# Altium PCB PCB3.PcbDoc (part 7 of 8) (continued)
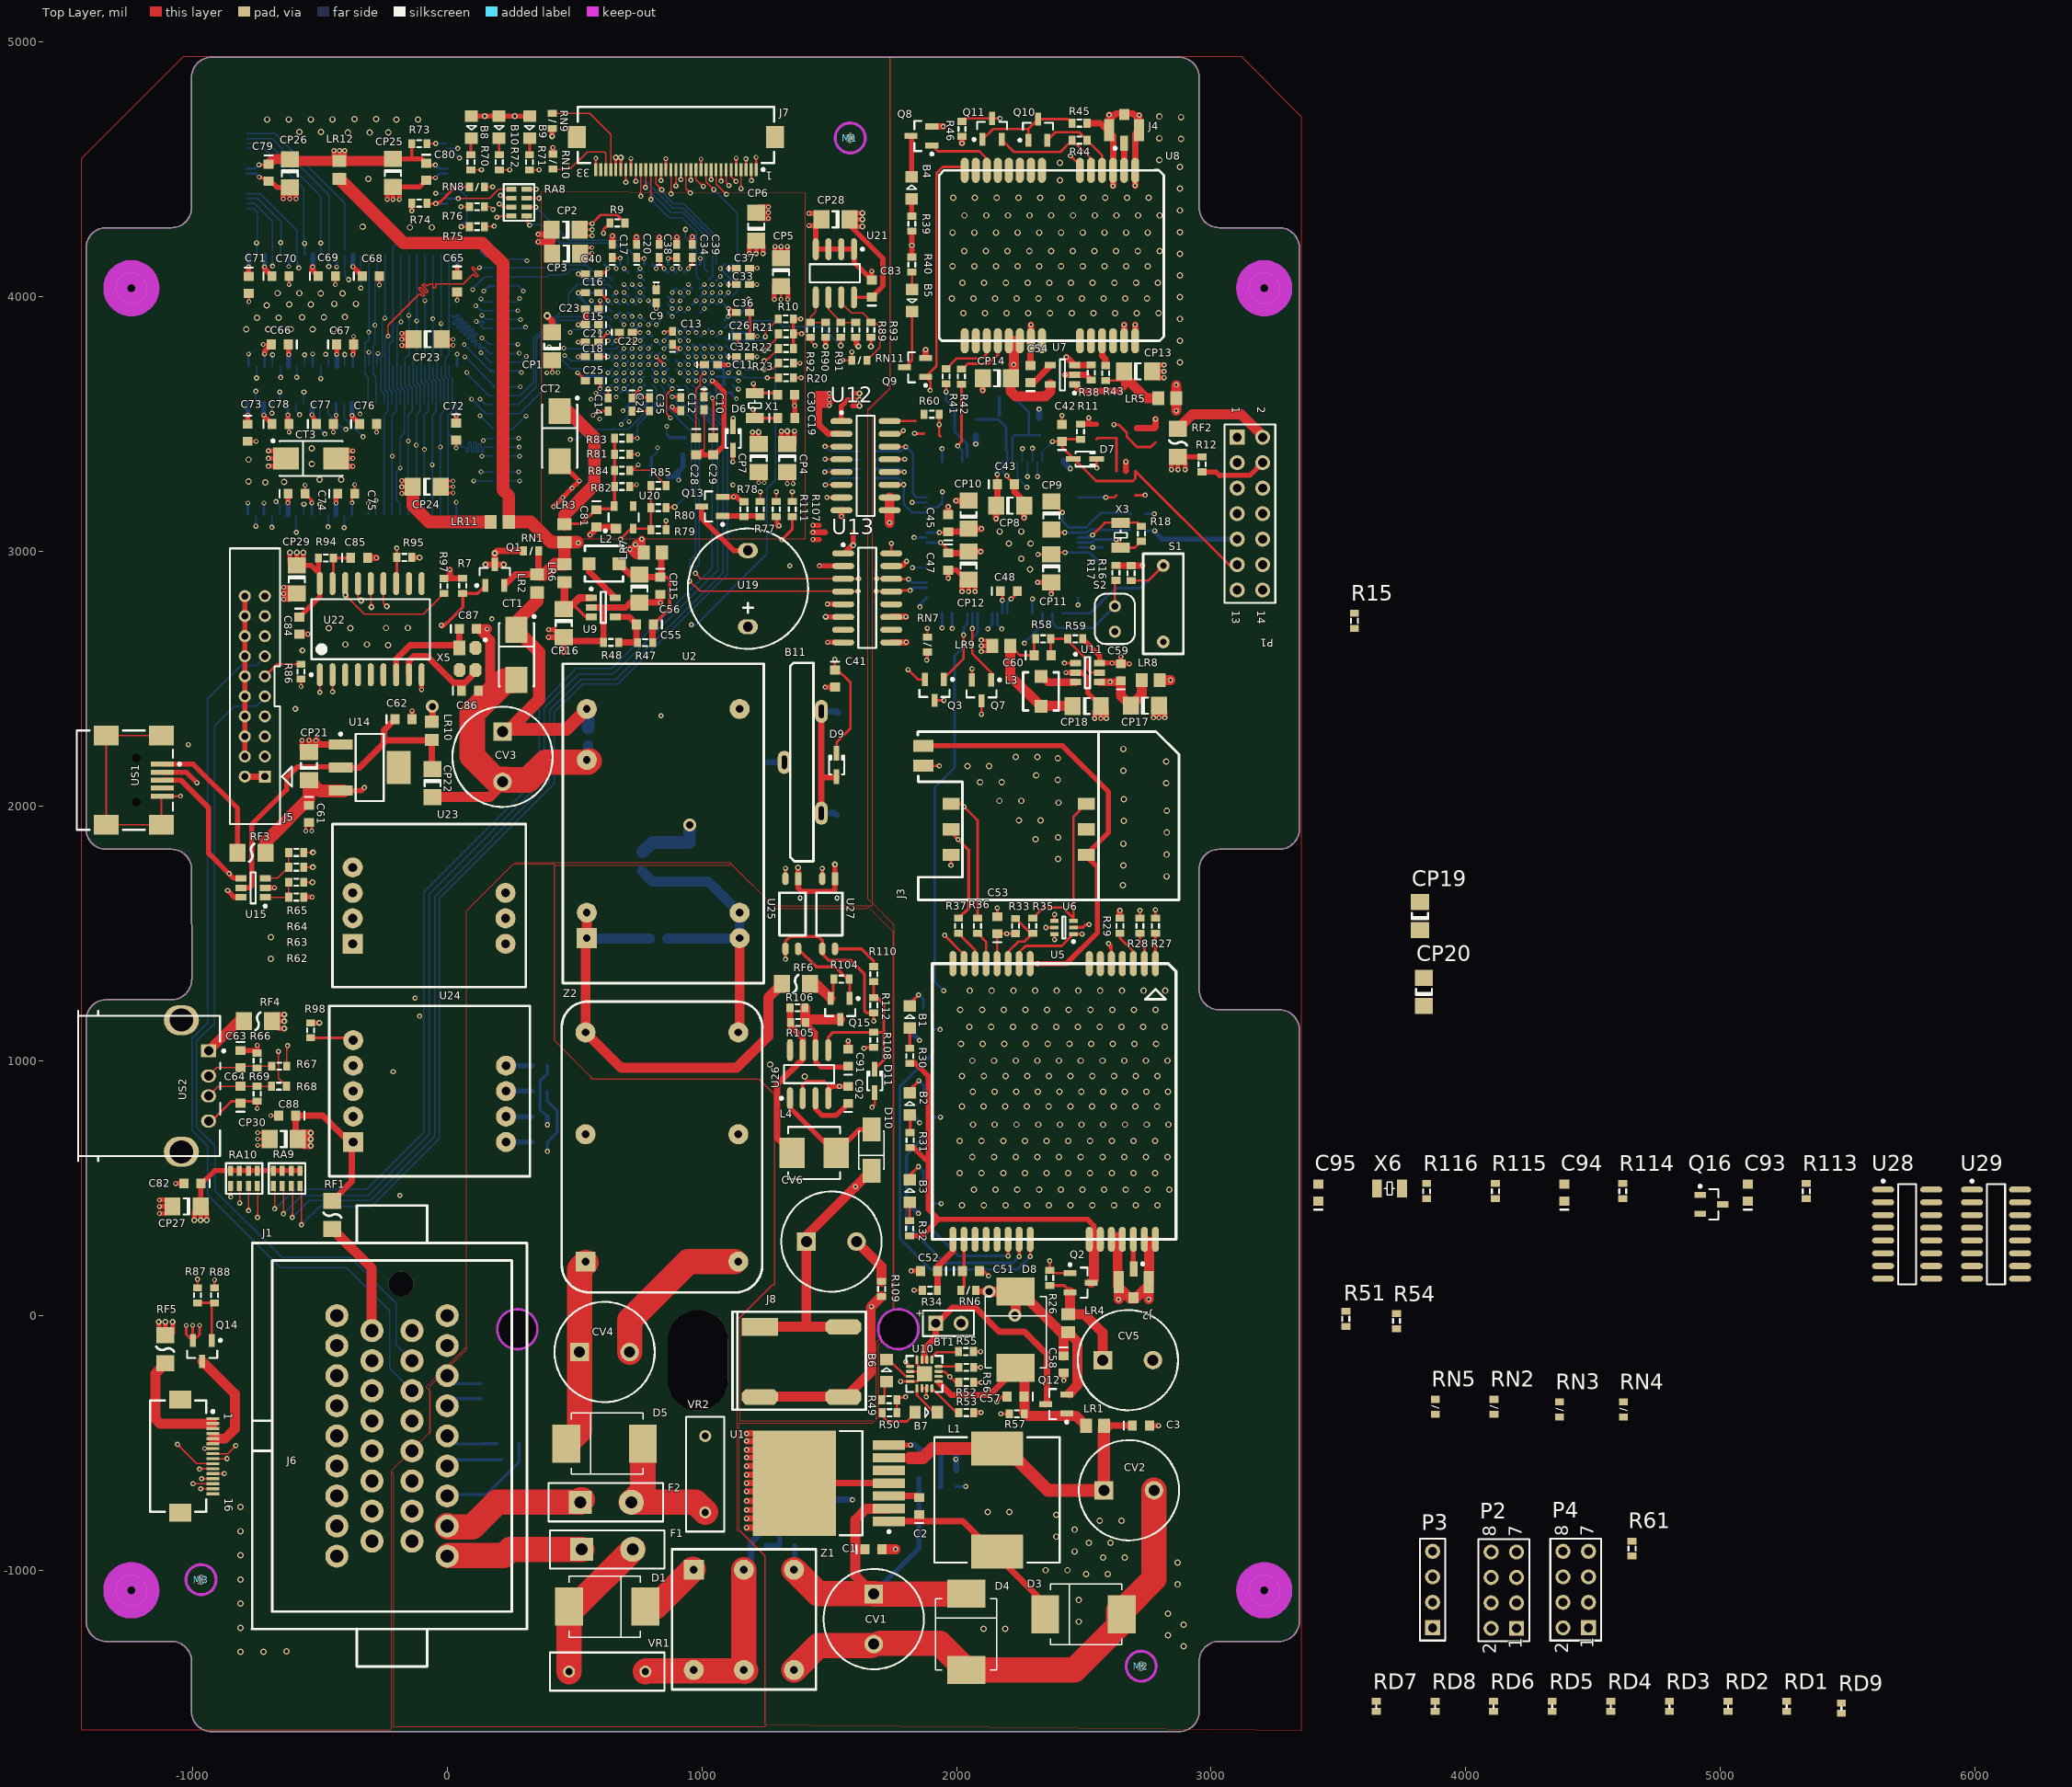
[diagram p0: Top Layer view]
## Nets (pads, with @x,y where several pads share a name; then routed paths per layer and width w, separated by ;. In a path a pad name is that pad's centre, name@x,y a point inside that pad or via, vN(x,y) a via of type N, cw(c..) or ccw(c..) an arc to the next point about the centre after c; other vN are vias at no path point) (continued)
  DATA w5: v1@883.83,3947.68 cw(c883.83,3931.98) 894.93,3943.08 cw(c906.03,3954.18) v1@890.33,3954.18 ; v1(883.83,3954.18) 915.33,3922.68 1074.78,3922.68 1093.91,3903.54 1220.47,3903.54 1279.53,3844.49 1279.53,3685.04 1276.57,3682.09 1276.57,3280.3 1230.51,3234.23 v2(1229.31,3234.23) ; v2@1229.31,3241.73 ccw(c1229.31,3262.73) 1244.16,3247.88 ; v2@1236.81,3234.23 cw(c1252.01,3234.23) 1241.26,3244.98
  Bottom Layer w10: U3.J6@868.08,3969.92 v1(883.83,3954.18) ; v1@879.83,3954.18 ccw(c870.18,3954.18) 877,3961 ccw(c883.83,3967.83) v1@883.83,3958.18
TOUT1/GPB1: R111.1 U3.J5 | length 1260.7
  Top Layer w5: v2@1286.99,3228.97 cw(c1274.19,3216.17) 1292.3,3216.17 cw(c1310.4,3216.17) v2@1297.6,3228.97 ; R111.1@1292.3,3196.3 v2(1292.3,3234.28)
  DATA w5: v1@883.83,3979.17 cw(c883.83,3963.48) 894.93,3974.58 cw(c906.03,3985.67) v1@890.33,3985.67 ; v1(883.83,3985.67) 899.58,3969.92 962.57,3969.92 994.32,3938.18 1216.35,3938.18 ; 1214.57,3937.99 1217.52,3937.99 1226.77,3928.74 1295.28,3860.24 1295.28,3749.02 v2@1295.25,3234.28 ; v2@1286.99,3239.58 ccw(c1267.06,3259.51) 1295.25,3259.51 ; v2@1290.53,3236.05 ccw(c1279.13,3247.44) 1295.25,3247.44 ; 1295.25,3245.26 ccw(c1303.28,3245.26) v2@1297.6,3239.58
  Bottom Layer w10: U3.J5@868.08,4001.42 v1(883.83,3985.67) ; v1@879.83,3985.67 ccw(c870.18,3985.67) 877,3992.5 ccw(c883.83,3999.33) v1@883.83,3989.67
TOUT2/GPB2: R87.2 U3.J7 | length 5511.9
  Top Layer w5: v2@-986,137.03 cw(c-998.81,124.22) -980.7,124.22 cw(c-962.59,124.22) v2@-975.4,137.03 ; R87.2@-980.7,108.94 v2(-980.7,142.33)
  ADDR w5: v2@-986,147.63 ccw(c-999.74,161.37) -980.32,161.37 ; v2@-980.31,144.69 -980.31,213.58 -913.39,280.51 -913.39,442.91 -799.21,557.09 -316.93,557.09 -212.11,661.91 v2(-212.11,957.19) ; -980.32,159.51 ccw(c-963.52,159.51) v2@-975.4,147.63 ; v2@-217.41,951.88 cw(c-230.21,939.08) -212.11,939.08 cw(c-194,939.08) v2@-206.8,951.88
  DATA w5: v2@-217.41,962.49 ccw(c-230.21,975.29) -212.11,975.29 ccw(c-194,975.29) v2@-206.8,962.49 ; v2(-212.11,957.19) -212.11,1399.11 226.38,1837.6 482.28,1837.6 1109.25,2464.57 1109.25,3088.58 1149.61,3128.94 1149.61,3546.26 1120.08,3575.79 1120.08,3856.97 1070.12,3906.93 899.58,3906.93 v1(883.83,3922.68) ; v1@883.83,3916.18 cw(c883.83,3900.49) 894.93,3911.58 cw(c906.03,3922.68) v1@890.33,3922.68
  Bottom Layer w10: U3.J7@868.08,3938.43 v1(883.83,3922.68) ; v1@879.83,3922.68 ccw(c870.18,3922.68) 877,3929.51 ccw(c883.83,3936.34) v1@883.83,3926.68
TXCAN: U22.1 U23.3 | length 966.9
  Top Layer w5: v2@-505.53,2452.92 ccw(c-518.33,2465.72) -500.22,2465.72 ccw(c-482.12,2465.72) v2@-494.92,2452.92 ; v2(-500.22,2447.61) U22.1@-500.22,2516.18
  ADDR w5: v2@-505.53,2442.31 cw(c-518.33,2429.51) -500.22,2429.51 cw(c-482.12,2429.51) v2@-494.92,2442.31 ; v2(-500.22,2447.61) -500.22,1789.02 U23.3@-370.89,1659.69
TXD0: J1.34 U3.K13 | length 4383.5
  ADDR w5: -124.53,1189.49 ccw(c-108.27,1205.74) v2@-108.27,1182.75 ; -119.65,1184.61 cw(c-129,1175.25) v2@-115.77,1175.25 ; v2(-108.27,1175.25) -110.29,1175.25 -150.59,1215.55 -150.59,2053.61 929.11,3133.31 929.11,3530.95 899.58,3560.47 899.58,3717.95 v1(915.33,3733.7) ; v1@908.83,3733.7 cw(c893.14,3733.7) 904.23,3722.61 cw(c915.33,3711.51) v1@915.33,3727.2
  DATA w5: v2@-113.58,1169.95 cw(c-124.15,1159.37) -109.19,1159.37 ; -109.19,1154.92 cw(c-87.94,1154.92) v2@-102.97,1169.95 ; v2(-108.27,1175.25) -109.19,1175.25 -109.19,356.24 0,247.05 J1.34@0,0
  Bottom Layer w10: U3.K13@899.58,3749.45 v1(915.33,3733.7) ; v1@911.33,3733.7 ccw(c901.67,3733.7) 908.5,3740.53 ccw(c915.33,3747.36) v1@915.33,3737.7
TXD1: R24.2 U3.K16 U13.3 | length 1603.4
  Top Layer w5: v2@975.39,2906.87 cw(c975.39,2888.76) 988.2,2901.57 cw(c1001,2914.37) v2@982.89,2914.37 ; v2(975.39,2914.37) 995.87,2893.9 1555.12,2893.9 v2(1615.35,2893.9) ; v2@1610.05,2888.59 ccw(c1597.25,2875.79) 1597.25,2893.9 ccw(c1597.25,2912) v2@1610.05,2899.2
  Bottom Layer w5: U3.K16@899.58,3654.96 915.33,3639.21 915.33,3590.67 990.13,3515.87 990.13,2949.8 976.43,2936.1 976.43,2915.4 v2(975.39,2914.37) ; v2@970.09,2919.67 ccw(c954.8,2934.97) 976.43,2934.97 ; 976.43,2929.99 ccw(c991.01,2929.99) v2@980.7,2919.67 ; v2@1610.05,2899.2 ccw(c1585.84,2923.41) R24.2@1620.08,2923.41 ; v2@1613.59,2895.67 ccw(c1597.91,2911.34) 1620.08,2911.34 ; v2(1615.35,2893.9) 1620.08,2898.62 R24.2@1620.08,2933.07
TXD2: U3.J11 U24.3 | length 3583.6
  ADDR w5: U24.3@-368.92,881.34 -426.21,938.62 -426.21,1159.88 -295.28,1290.81 -295.28,2037.86 813.98,3147.11 ; 813.98,3145.67 813.98,3147.11 ; v1@852.34,3790.19 cw(c852.34,3774.5) 863.43,3785.6 cw(c874.53,3796.69) v1@858.84,3796.69 ; v1(852.34,3796.69) 868.08,3780.95 868.08,3663.82 852.34,3648.07 852.34,3525.04 898.6,3478.78 898.6,3351.35 813.98,3266.73 813.98,3147.11
  Bottom Layer w10: v1(852.34,3796.69) U3.J11@868.08,3812.44 ; v1@852.34,3800.69 ccw(c852.34,3810.35) 859.17,3803.52 ccw(c865.99,3796.69) v1@856.34,3796.69
TXDG: R41.1 U8.3@2119.06,3827.76 | length 235.1
  Top Layer w10: R41.1@1959.65,3717.52 2000,3757.87 2100.39,3757.87 2119.06,3776.54 U8.3@2119.06,3827.76
TXDM: R27.1 U5.1 | length 119.1
  Top Layer w12: U5.1@2781.5,1381.89 R27.1@2781.5,1500.98
UPLLCAP: C29.1 U3.P17 | length 218.2
  Top Layer w10: v1@1038.51,3600.52 cw(c1022.24,3584.25) 1045.25,3584.25 ; v1(1041.34,3603.35) 1045.25,3599.43 C29.1@1045.25,3447.28
  Bottom Layer w10: U3.P17@1025.57,3623.47 1041.34,3607.69 v1(1041.34,3603.35) ; 1031.44,3617.6 cw(c1017.18,3603.35) v1@1037.34,3603.35
USB0_N: C63.2 R66.1 R67.2 US2.2 | length 261.5
  Top Layer w5: US2.2@-937.01,940.94 -904.53,973.43 C63.2@-812.01,973.43 ; C63.2@-812.01,979.33 R67.2@-688.98,979.33
USB0_P: C64.2 R68.2 R69.1 US2.3 | length 262.9
  Top Layer w5: US2.3@-937.01,862.2 -898.62,900.59 C64.2@-812.01,900.59 R68.2@-689.96,900.59
USB1_N: J1.7 U15.6 US1.2 | length 2817.1
  Top Layer w20: US1.2@-1118.11,2133.86 -1024.71,2133.86 v2(-982.85,2092) ; v2(-862.2,1669.29) -834.65,1641.73 U15.6@-803.15,1641.73
  ADDR w20: v2(-982.85,2092) -981,2090.15 -981,1788.09 v2(-862.2,1669.29)
  DATA w20: v2(-862.2,1669.29) -843.5,1650.59 -843.5,532.5 -885,491 -885,438.46 -604,157.46 -604,-78.09 J1.7@-439.47,-242.62
USB1_P: J1.8 U15.4 US1.3 | length 2601.6
  Top Layer w20: US1.3@-1118.11,2102.36 -1045.36,2102.36 -937.01,1994.01 -937.01,1815.94 v2(-856.3,1735.24) -838.03,1716.97 U15.4@-809.08,1716.97
  DATA w20: v2(-856.3,1735.24) -796.26,1675.2 -796.26,484.26 -522,210 -522,-29.18 J1.8@-433.07,-118.11
USBD1_N: R63.1 U3.N12 | length 3336
  Top Layer w5: R63.1@-563.02,1701.22 v4(-528.57,1701.22) ; v4@-535.15,1694.64 ccw(c-551.05,1678.74) -551.05,1701.22 ccw(c-551.05,1723.7) v4@-535.15,1707.81
  DATA w5: v4@-533.98,1694.82 -296.72,1932.09 447.83,1932.09 1025.32,2509.57 1025.32,3720.17 1009.82,3735.67 v1(1009.82,3765.2) ; v4@-528.57,1705.53 ccw(c-528.57,1718.32) -519.53,1709.28 ; v4@-528.57,1710.53 ccw(c-528.57,1735.39) -510.99,1717.81 ; v4@-519.26,1701.22 cw(c-499.16,1701.22) -513.37,1715.44 ; v1@1005.22,3760.6 cw(c994.13,3749.51) 1009.82,3749.51 cw(c1025.51,3749.51) v1@1014.42,3760.6
  Bottom Layer w10: U3.N12@994.07,3780.95 v1(1009.82,3765.2) ; v1@1005.82,3765.2 ccw(c996.16,3765.2) 1002.99,3772.03 ccw(c1009.82,3778.86) v1@1009.82,3769.2
USBD1_P: R64.1 U3.U14 | length 3378.7
  Top Layer w5: R64.1@-563.02,1760.28 v4(-527.58,1760.28) ; v4@-534.17,1753.69 ccw(c-550.06,1737.8) -550.06,1760.28 ccw(c-550.06,1782.76) v4@-534.17,1766.86
  ADDR w5: v2(839.57,2355.31) 1104.33,2620.08 1104.33,3243.11 v2@1122.05,3260.83 ; v2@839.57,2362.81 ccw(c839.57,2380.92) 852.37,2368.12 ccw(c865.17,2355.31) v2@847.07,2355.31 ; 1108.55,3247.33 ccw(c1094.06,3261.81) v2@1114.55,3261.81 ; 1110.92,3249.7 cw(c1122.05,3238.58) v2@1122.05,3254.31
  DATA w5: v4@-527.58,1764.59 ccw(c-527.58,1782.12) -515.18,1769.72 ; v4@-527.58,1769.59 ccw(c-527.58,1799.19) -506.65,1778.26 ; v4@-526.11,1758.8 -323.29,1961.61 445.87,1961.61 v2(839.57,2355.31) ; v4@-518.27,1760.28 cw(c-502.92,1760.28) -513.78,1771.13 ; v2@832.07,2355.31 cw(c813.96,2355.31) 826.76,2342.51 cw(c839.57,2329.71) v2@839.57,2347.81 ; v1@1099.71,3697.61 cw(c1088.61,3686.51) 1104.31,3686.51 cw(c1120,3686.51) v1@1108.9,3697.61 ; v1(1104.31,3702.21) 1104.31,3279.55 v2(1122.05,3261.81) ; v2@1114.55,3261.81 ccw(c1096.44,3261.81) 1109.24,3274.61 ccw(c1122.05,3287.42) v2@1122.05,3269.31
  Bottom Layer w10: v1(1104.31,3702.21) U3.U14@1120.05,3717.95 ; v1@1104.31,3706.21 ccw(c1104.31,3715.86) 1111.14,3709.03 ccw(c1117.96,3702.21) v1@1108.31,3702.21
USBH0_N: R67.1 U3.P12 | length 3810.3
  Top Layer w5: v2@-632.27,1054.74 cw(c-637.95,1049.06) -629.92,1049.06 ; R67.1@-629.92,979.33 -629.92,1058.07 v2@-625.98,1062.01 ; -629.92,1034.81 cw(c-601.73,1034.81) v2@-621.67,1054.74 ; -629.92,1046.88 cw(c-613.81,1046.88) v2@-625.2,1058.27
  DATA w5: v2(-626.97,1060.04) -626.97,1064.96 190.94,1882.87 460.63,1882.87 1072.83,2495.08 1072.83,3733.68 v1(1041.31,3765.2) ; v2@-626.97,1067.54 ccw(c-626.97,1073.76) -622.57,1069.36 ; v2@-624.47,1060.04 cw(c-606.55,1060.04) -619.22,1072.71 ; v2@-619.47,1060.04 cw(c-589.48,1060.04) -610.69,1081.24 ; v1@1041.31,3758.7 cw(c1041.31,3743.01) 1052.41,3754.1 cw(c1063.51,3765.2) v1@1047.81,3765.2
  Bottom Layer w10: U3.P12@1025.57,3780.95 v1@1041.31,3765.2 ; v1@1037.31,3765.2 ccw(c1027.65,3765.2) 1034.48,3772.03 ccw(c1041.31,3778.85) v1@1041.31,3769.2
USBH0_P: R68.1 U3.N11 | length 3937
  Top Layer w5: v2@-667.7,1032.1 cw(c-680.51,1019.29) -662.4,1019.29 cw(c-644.29,1019.29) v2@-657.1,1032.1 ; v2(-662.4,1037.4) -662.4,932.09 R68.1@-630.91,900.59
  DATA w5: v2@-667.7,1042.7 ccw(c-686.6,1061.6) -659.88,1061.6 ; v2@-664.17,1039.17 ccw(c-674.53,1049.53) -659.88,1049.53 ; v2@-663.39,1035.43 -659.88,1038.94 -659.88,1071.42 176.18,1907.48 454.72,1907.48 1057.09,2509.84 1057.09,3724.82 1025.57,3756.34 1025.57,3780.95 v1(1009.95,3796.57) ; -659.88,1049.42 ccw(c-650.39,1049.42) v2@-657.1,1042.7 ; v1@1009.95,3790.07 cw(c1009.95,3774.37) 1021.04,3785.47 cw(c1032.14,3796.57) v1@1016.45,3796.57
  Bottom Layer w10: U3.N11@994.07,3812.44 v1(1009.95,3796.57) ; v1@1005.95,3796.57 ccw(c996.29,3796.57) 1003.12,3803.39 ccw(c1009.95,3810.22) v1@1009.95,3800.57
V_ANT: Q11.2 R44.2 U8.19 | length 466.4
  Top Layer w10: Q11.2@2177.17,4618.11 2226.38,4568.9 2407.48,4568.9 R44.2@2453.74,4615.16 2455.71,4615.16 2528.5,4542.36 U8.19@2528.5,4497.05
VACC1: R61.2 U12.16 | length 103.1
  Top Layer w10: U12.16@1737.2,3512.6 1840.35,3512.6
VACC2: R60.1 U13.16 | length 627.1
  Top Layer w10: v2@1740.56,3028.94 cw(c1732.02,3020.41) 1744.09,3020.41 cw(c1756.17,3020.41) v2@1747.63,3028.94 ; U13.16@1744.09,2993.9 v2(1744.09,3032.48) ; v2@1833.66,3465.55 v2(1835.63,3463.58) 1836.61,3462.6 1873.03,3462.6 ; v2@1839.17,3467.12 ccw(c1850.08,3478.03) 1850.08,3462.6
  ADDR w10: v2(1744.09,3032.48) 1773.62,3062.01 1773.62,3254.63 1773.52,3254.73 1773.52,3418.2 1818.9,3463.58 v2(1835.63,3463.58) ; v2@1744.09,3037.48 ccw(c1744.09,3049.55) 1752.63,3041.02 ccw(c1761.17,3032.48) v2@1749.09,3032.48 ; v2@1832.09,3460.05 ccw(c1823.56,3451.51) 1823.56,3463.58 ccw(c1823.56,3475.65) v2@1832.09,3467.12
VBAT: C58.1 D8.2 LR4.1 LR5.1 LR8.2 Q12.2 RN6.2 | length 1108.8
  Top Layer w20: RN6.2@2075.85,99.41 2079.79,95.47 v5@2130.91,95.47 ; RN6.2@2089.36,95.47 cw(c2089.36,55.9) v5@2117.35,83.88 ; 2094.12,95.47 ccw(c2094.12,128.33) v5@2117.35,105.09
  Top Layer w39.37: v5@2127.36,93.9 D8.2@2232.28,93.9 ; v5@2232.28,9.84 D8.2@2232.28,93.9 ; C58.1@2421.26,-158.47 2421.26,-83.66 LR4.1@2438.98,-65.94 ; Q12.2@2443.9,-305.12 2475.39,-273.62 2475.39,-102.36 LR4.1@2438.98,-65.94 ; LR8.2@2798.23,2495.08 v2(2840.55,2495.08) ; v2(2863.19,3553.15) LR5.1@2863.19,3602.36 ; LR5.1@2863.19,3602.36 v2@2863.19,3652.56 ; D8.2@2232.28,93.9 2232.28,111.22 2409.45,-65.94 LR4.1@2438.98,-65.94
  other v2: 2863.19,3654.53
  other v5: 2229.33,0.98 2127.95,94.49
VCC: C43.1 C45.1 C46.1 C48.1 CP8.1 CP10.1 CP11.1 D7.2 LR9.2 P4.6 P4.8 R11.1 R12.1 R13.1 RF2.2 S1.2 S2.2 U4.16 U4.38 U4.64 U4.87 | length 1555.8
  Top Layer w10: v2(1933.07,3074.8) 1964.57,3074.8 C45.1@1967.52,3077.76 ; v2@1936.61,3071.27 cw(c1945.14,3062.73) 1945.14,3074.8 cw(c1945.14,3086.87) v2@1936.61,3078.34 ; LR9.2@2137.8,2626.97 2134.84,2629.92 LR9.2@2140.75,2629.92 ; v2@2156.9,3299.61 cw(c2148.36,3291.08) 2160.43,3291.08 cw(c2172.5,3291.08) v2@2163.97,3299.61 ; C43.1@2160.43,3264.76 v2(2160.43,3303.15) ; v2@2176.58,2811.61 ccw(c2168.05,2820.14) 2180.12,2820.14 ccw(c2192.19,2820.14) v2@2183.65,2811.61 ; v2(2180.12,2808.07) C48.1@2180.12,2844.49 ; v2(2319.88,2989.17) CP11.1@2372.05,2989.17 2378.94,2996.06 v2(2426.18,2996.06) ; v2@2323.42,2985.64 cw(c2331.95,2977.1) 2331.95,2989.17 cw(c2331.95,3001.24) v2@2323.42,2992.71 ; v2@2422.65,2992.53 ccw(c2414.11,2983.99) 2414.11,2996.06 ccw(c2414.11,3008.13) v2@2422.65,2999.6 ; v2@2547.65,3331.29 ccw(c2539.11,3339.83) 2551.18,3339.83 ccw(c2563.25,3339.83) v2@2554.72,3331.29 ; v2(2551.18,3327.76) D7.2@2551.18,3363.19
  Top Layer w12: v2@2095.47,2651.57 2119.09,2651.57 LR9.2@2140.75,2629.92 ; v2(2097.44,2607.28) 2125.98,2607.28 LR9.2@2131.89,2613.19 ; v2@2100.27,2655.39 ccw(c2109.47,2664.59) 2109.47,2651.57
  Top Layer w20: v2(2097.44,2629.92) LR9.2@2134.84,2629.92 ; R11.1@2487.2,3500 2518.7,3500 ; v2(2518.7,3525.59) 2518.7,3500 ; 2550.2,3500 2518.7,3500 ; v2(2844.49,3321.85) RF2.2@2844.49,3360.24 ; v2(2870.08,3321.85) RF2.2@2870.08,3371.06 ; RF2.2@2875.98,3371.06 2876.97,3372.05 R12.1@2964.57,3372.05 ; RF2.2@2879.92,3368.11 2897.64,3350.39 v2(2897.64,3321.85)
  Top Layer w25: C45.1@1967.52,3077.76 2035.43,3077.76 CP10.1@2047.24,3089.57 v2(2098.43,3089.57) ; v2(2155.51,3128.94) CP8.1@2155.51,3180.12 2160.43,3185.04 C43.1@2160.43,3264.76
  Bottom Layer w10: U4.64@1882.87,3074.8 v2(1933.07,3074.8) ; v2@1929.54,3071.27 ccw(c1921,3062.73) 1921,3074.8 ccw(c1921,3086.87) v2@1929.54,3078.34 ; v2@2156.9,3306.69 ccw(c2148.36,3315.22) 2160.43,3315.22 ccw(c2172.5,3315.22) v2@2163.97,3306.69 ; v2(2160.43,3303.15) U4.87@2160.43,3352.36 ; v2@2176.58,2804.54 cw(c2168.05,2796) 2180.12,2796 cw(c2192.19,2796) v2@2183.65,2804.54 ; U4.38@2180.12,2757.87 v2(2180.12,2808.07) ; v2(2426.18,2996.06) U4.16@2477.36,2996.06 2521.65,2996.06 2567.91,2949.8 C46.1@2575.79,2949.8 ; v2@2429.72,2992.53 cw(c2438.25,2983.99) 2438.25,2996.06 cw(c2438.25,3008.13) v2@2429.72,2999.6 ; R13.1@2744.09,3147.64 v2(2776.57,3147.64) ; v2@2773.04,3144.1 ccw(c2764.5,3135.57) 2764.5,3147.64 ccw(c2764.5,3159.71) v2@2773.04,3151.17
  other v2: 2097.44,2652.56
VCC5V: C57.1 D8.1 LR1.2 Q12.1 R57.2 U10.13 | length 856.2
  Top Layer w25: U10.13@1930.12,-261.58 1980.55,-312.01 2130.32,-312.01 D8.1@2236.22,-206.1
  Top Layer w39.37: D8.1@2247.05,-170.28 2266.73,-189.96 R57.2@2266.73,-380.91 ; R57.2@2264.76,-378.94 R57.2@2266.73,-380.91 ; LR1.2@2508.86,-433.07 2469.49,-393.7 2279.53,-393.7 R57.2@2266.73,-380.91
VCC24V: C1.1 CV1.1 D2.2 D4.2 R3.2 U1.2 Z1.3 | length 2437.2
  Top Layer w20: 1602.36,-917.32 1603.35,-917.32 C1.1@1640.75,-917.32
  Top Layer w39.37: 1456.14,-1092.13 1673.82,-1092.13 1603.35,-1021.65 1603.35,-917.32 1603.35,-801.46 1646.65,-758.15 U1.2@1734.68,-758.15 ; CV1.1@1675.2,-1092.13 D4.2@2038.39,-1092.13
  Top Layer w100: Z1.3@1362.16,-998.15 1456.14,-1092.13 1456.53,-1092.52 CV1.1@1678.15,-1092.52 ; CV1.1@1675.2,-1093.5 2041.34,-1093.5 D4.2@2045.28,-1097.44
  Bottom Layer w20: Z1.3@1365.16,-991.14 R3.2@1365.16,-903.54 ; CV1.1@1668.31,-1096.46 1852.96,-911.8 D2.2@1852.96,-638.49
VCC_RF: Q10.2 R44.1 U8.18 | length 324.2
  Top Layer w10: Q10.2@2357.28,4615.16 2388.78,4646.65 2481.3,4646.65 R44.1@2512.8,4615.16 2571.81,4556.14 U8.18@2571.81,4497.05
VDC3V3: J5.1 J5.2 LR2.2 LR3.1 LR6.2 LR10.2 LR11.1 LR12.1 Q1.2 RN1.1 | length 4314.7
  Top Layer w25: J5.2@-794.62,2116.5 J5.1@-715.88,2116.5 -713.94,2116.5 J5.1@-712.6,2115.16 ; v5@-66.91,2382.89 cw(c-90.56,2359.24) -57.11,2359.24 ; Q1.2@224.38,2866.57 267.69,2909.88 LR2.2@353.32,2909.88 359.23,2915.79 RN1.1@359.23,3002.4
  Top Layer w50: LR12.1@-423.23,4463.58 -170.93,4211.28 138.43,4211.28 219,4130.71 219,3241.58 242.13,3218.45 LR11.1@242.13,3116.58 ; LR11.1@242.13,3116.14 LR11.1@242.13,3116.58 ; LR2.2@353.32,2909.88 382.85,2909.88 423.2,2950.24 LR6.2@460.6,2950.24 LR3.1@460.6,3036.85 ; v2@510.39,3036.85 LR3.1@460.6,3036.85 ; LR11.1@242.13,3116.58 328.31,3116.58 408.03,3036.85 LR3.1@460.6,3036.85
  ADDR w25: v5@-57.09,2397.64 514.76,2969.49 v2(514.76,3034.45)
  DATA w25: J5.1@-722.44,2113.19 -319.93,2113.19 v5@-57.11,2376.01
  other v5: -58.07,2391.73
VDD1.3V: C9.1 C10.1 C11.1 C12.1 C20.1 C21.1 C22.1 C23.1 C24.1 C25.1 C26.1 C36.1 C37.1 C38.1 C39.1 C40.1 CP1.1 CP3.1 CP6.1 CP7.1 LR7.2 RD1.1 RD1.2 RD2.1 RD2.2 RD3.1 RD3.2 RD4.1 RD4.2 RD6.1 RD6.2 RD8.1 RD8.2 U3.A1 U3.A6 U3.A10 U3.A16 U3.B11 U3.F1 U3.F16 U3.G4 U3.J2 U3.J17 U3.L2 U3.M13 U3.N16 U3.T6 U3.T8 U3.U1 U3.U2 U3.U11 | length 2158.4
  Top Layer w10: v1@409.53,3706.01 ccw(c402.65,3712.89) 412.38,3712.89 ; v1(412.36,3703.18) CP1.1@412.38,3750.43 ; 412.38,3712.79 ccw(c421.96,3712.79) v1@415.18,3706.01 ; C21.1@594.05,3822.85 630.46,3859.26 v1(630.46,3859.85) ; C23.1@594.05,3952.98 600.61,3959.53 v1@600.61,3985.43 ; C40.1@594.05,4090.43 610.64,4090.43 v1(631.86,4111.66) ; C25.1@594.46,3670.71 600.59,3664.58 v1(600.59,3639.43) v1@600.59,3639.02 ; v1@597.76,3642.26 ccw(c590.93,3649.09) 600.59,3649.09 ccw(c610.25,3649.09) v1@603.42,3642.26 ; 600.61,3974.21 cw(c612.81,3974.21) v1@604.18,3982.84 ; 623.22,3852.01 ccw(c615.38,3859.85) v1@626.46,3859.85 ; v1@627.86,4111.66 cw(c618.21,4111.66) 625.04,4104.83 cw(c631.86,4098) v1@631.86,4107.66 ; v1(663.36,3828.19) 675.87,3840.7 C22.1@675.87,3862.98 ; v1@663.36,3832.19 ccw(c663.36,3841.85) 670.19,3835.02 ccw(c677.02,3828.19) v1@667.36,3828.19 ; C24.1@726.35,3602.8 726.35,3607.72 v1(757.85,3639.21) ; C20.1@742.41,4150.44 v1(773.6,4150.44) ; v1@753.85,3639.21 cw(c744.19,3639.21) 751.02,3632.39 cw(c757.85,3625.56) v1@757.85,3635.21 ; v1@770.77,4147.61 ccw(c763.94,4140.79) 763.94,4150.44 ccw(c763.94,4160.1) v1@770.77,4153.27 ; v1@818.01,4045.84 cw(c811.18,4039.01) 820.84,4039.01 cw(c830.5,4039.01) v1@823.67,4045.84 ; C9.1@820.84,4013.77 C9.1@820.84,4027.99 v1(820.84,4048.66) ; C38.1@832.59,4154.84 832.59,4131.4 v1(852.34,4111.66) ; v1@848.34,4111.66 ccw(c838.68,4111.66) 845.51,4118.48 ccw(c852.34,4125.31) v1@852.34,4115.66 ; v1(883.83,3607.72) C12.1@914.34,3607.72 ; v1@886.66,3604.89 cw(c893.49,3598.06) 893.49,3607.72 cw(c893.49,3617.38) v1@886.66,3610.55 ; v1(946.82,4111.66) 962.59,4127.42 C39.1@962.59,4154.84 ; v1@946.82,4115.66 ccw(c946.82,4125.31) 953.65,4118.48 ccw(c960.48,4111.66) v1@950.82,4111.66 ; v1(978.32,3733.7) C11.1@1010.8,3733.7 ; v1@981.15,3730.87 cw(c987.98,3724.04) 987.98,3733.7 cw(c987.98,3743.36) v1@981.15,3736.53 ; C10.1@1008.83,3607.72 1008.83,3638.23 v1(1009.82,3639.21) ; 1008.83,3627.18 cw(c1021.86,3627.18) v1@1012.65,3636.39 ; v1(1104.31,3922.68) 1106.27,3922.68 1131.86,3948.27 1110.21,3948.27 v1(1104.31,3954.18) ; v1@1104.31,3926.68 ccw(c1104.31,3941.08) 1114.49,3930.9 ; v1@1105.29,4112.64 C37.1@1135.8,4112.64 C37.1@1143.68,4112.64 ; v1@1107.13,3957.01 ccw(c1128.23,3978.1) C36.1@1128.23,3948.27 ; v1@1107.14,4108.83 cw(c1116.34,4099.63) 1116.34,4112.64 ; v1@1139.86,3815.27 ccw(c1133.03,3822.1) 1142.69,3822.1 ccw(c1152.35,3822.1) v1@1145.52,3815.27 ; v1(1142.69,3812.44) C26.1@1142.69,3840
  Top Layer w12: CP3.1@522.71,4170.43 v1(568.59,4170.43) ; CP3.1@545.71,4193.43 v1(568.59,4193.43) ; CP3.1@547.71,4145.43 v1(568.59,4145.43)
  Top Layer w20: v2(1187.01,4170.28) CP6.1@1187.01,4206.69 ; CP7.1@1199.25,3425.75 v2(1199.25,3468.94) ; v2(1213.58,4170.28) CP6.1@1213.58,4220.47 ; CP7.1@1223.4,3421.69 v4(1223.4,3468.94) ; v2(1240.16,4170.28) CP6.1@1240.16,4202.76
  Top Layer w29.53: v2(717.52,3008.86) 742.13,2984.25 LR7.2@760.83,2984.25 ; v2(739.17,3027.56) 741.14,3027.56 LR7.2@772.64,2996.06 ; v2@739.37,3022.8 ccw(c738.33,3048.23) v2(763.78,3048.23) 763.78,3011.81 LR7.2@769.69,3005.91 ; v2@740.93,3031.99 cw(c727.59,2998.35) LR7.2@763.78,2998.35
  Bottom Layer w10: v1(600.59,3639.43) U3.A16@616.12,3654.96 ; v1@600.59,3643.43 ccw(c600.59,3653.09) 607.42,3646.26 ccw(c614.25,3639.43) v1@604.59,3639.43 ; v1@601.35,3981.67 cw(c601.35,3972.01) 608.18,3978.84 cw(c615.01,3985.67) v1@605.35,3985.67 ; v1(601.35,3985.67) 616.12,3970.91 U3.A6@616.12,3969.92 ; U3.A10@616.12,3843.94 616.12,3845.5 v1(630.46,3859.85) ; U3.A1@616.12,4127.4 v1(631.86,4111.66) ; v1@626.46,3859.85 cw(c616.81,3859.85) 623.64,3853.02 cw(c630.46,3846.19) v1@630.46,3855.85 ; v1@627.86,4111.66 ccw(c618.21,4111.66) 625.04,4118.48 ccw(c631.86,4125.31) v1@631.86,4115.66 ; U3.B11@647.61,3812.44 v1(663.36,3828.19) ; v1@659.36,3828.19 cw(c649.7,3828.19) 656.53,3821.36 cw(c663.36,3814.53) v1@663.36,3824.19 ; v1(757.85,3639.21) U3.F16@773.6,3654.96 ; v1@757.85,3643.21 ccw(c757.85,3652.87) 764.68,3646.04 ccw(c771.51,3639.21) v1@761.85,3639.21 ; v1@770.77,4147.61 cw(c763.94,4140.79) 773.6,4140.79 cw(c783.25,4140.79) v1@776.43,4147.61 ; U3.F1@773.6,4127.4 v1(773.6,4150.44) ; U3.G4@805.09,4032.92 v1(820.84,4048.66) ; v1@816.84,4048.66 cw(c807.18,4048.66) 814.01,4041.84 cw(c820.84,4035.01) v1@820.84,4044.66 ; v1@852.34,4107.66 cw(c852.34,4098) 859.17,4104.83 cw(c865.99,4111.66) v1@856.34,4111.66 ; v1(852.34,4111.66) U3.J2@868.08,4095.91 ; U3.J17@868.08,3623.47 v1(883.83,3607.72) ; v1@879.83,3607.72 ccw(c870.18,3607.72) 877,3614.55 ccw(c883.83,3621.38) v1@883.83,3611.72 ; U3.L2@931.08,4095.91 v1(946.82,4111.66) ; v1@942.82,4111.66 cw(c933.17,4111.66) 940,4104.83 cw(c946.82,4098) v1@946.82,4107.66 ; U3.M13@962.57,3749.45 v1(978.32,3733.7) ; v1@974.32,3733.7 ccw(c964.67,3733.7) 971.49,3740.53 ccw(c978.32,3747.36) v1@978.32,3737.7 ; U3.N16@994.07,3654.96 v1(1009.82,3639.21) ; v1@1005.82,3639.21 ccw(c996.16,3639.21) 1002.99,3646.04 ccw(c1009.82,3652.87) v1@1009.82,3643.21 ; U3.T8@1088.56,3906.93 v1(1104.31,3922.68) ; U3.T6@1088.56,3969.92 v1(1104.31,3954.18) ; v1@1100.31,3922.68 cw(c1090.65,3922.68) 1097.48,3915.85 cw(c1104.31,3909.02) v1@1104.31,3918.68 ; v1@1100.31,3954.18 ccw(c1090.65,3954.18) 1097.48,3961.01 ccw(c1104.31,3967.83) v1@1104.31,3958.18 ; v1@1104.31,4107.66 cw(c1104.31,4098) 1111.14,4104.83 cw(c1117.96,4111.66) 1108.31,4111.66 cw(c1117.96,4111.66) 1111.14,4118.48 cw(c1104.31,4125.31) v1@1104.31,4115.66 ; U3.U11@1120.05,3812.44 v1(1142.69,3812.44) v1@1144.66,3812.44 ; U3.U2@1120.05,4095.91 v1(1104.31,4111.66) U3.U1@1120.05,4127.4 ; v1@1139.86,3809.61 ccw(c1133.03,3802.79) 1133.03,3812.44 ccw(c1133.03,3822.1) v1@1139.86,3815.27
  other v1: 391.71,3702.21 435.01,3703.19
VDD3V3: B8.1 B9.1 B10.1 C82.1 C83.1 C84.1 C88.1 CP19.1 CP20.1 CP27.1 CP28.1 CP29.1 CP30.1 J7.28 J7.29 Q1.3 R89.1 R90.1 R94.2 R95.1 R98.1 RA9.1 RA9.2 RA9.3 RA9.4 RA10.1 RA10.2 RA10.3 RA10.4 RF1.1 RF4.2 RF5.2 RN1.2 RN9.1 U12.1 U13.1 U13.6 U19.1 U21.8 U22.18 U23.1 U24.1 U25.1 U27.1 | length 4199.5
  Top Layer w10: v4@657.43,4542.27 cw(c645.8,4530.64) 662.25,4530.64 cw(c678.69,4530.64) v4@667.06,4542.27 ; J7.29@662.25,4499.87 v4(662.25,4547.09)
  Top Layer w12: v4@677.98,4543.14 cw(c668.43,4533.59) 681.93,4533.59 ; J7.28@681.93,4499.87 v4@681.93,4544.14 ; 681.93,4532.84 cw(c696.49,4532.84) v4@686.2,4543.14 ; U21.8@1597.39,3998.24 1666.09,3998.24 C83.1@1667.08,3999.23
  Top Layer w20: RF5.2@-1132.87,-69.88 v4(-1132.87,-24.61) ; RF5.2@-1107.28,-77.76 RF5.2@-1107.28,-76.77 v4(-1107.28,-24.61) ; RF5.2@-1084.65,-74.8 -1078.74,-68.9 v4(-1078.74,-24.61) ; v4(-993.11,374.02) -993.11,408.46 -984.25,417.32 -984.25,421.26 CP27.1@-988.19,425.2 ; v4(-968.5,374.02) CP27.1@-968.5,427.17 ; CP27.1@-968.5,428.15 -968.5,513.78 -913.39,568.9 -850.73,568.9 -682.42,568.9 -578.74,568.9 RA9.1@-576.77,566.93 ; CP27.1@-960.63,427.17 -943.9,410.43 v4(-943.9,374.02) ; RF4.2@-687.99,1155.51 v4(-639.76,1155.51) ; RF4.2@-660.43,1126.97 v4(-639.76,1126.97) ; RF4.2@-659.45,1182.09 v4(-639.76,1182.09) ; CP29.1@-617.1,2953.71 v4(-617.1,2996.04) ; v4(-590.58,2996.04) CP29.1@-590.58,2945.32 -533.69,2945.32 -505.93,2917.56 R94.2@-505.93,2974.84 ; C84.1@-579.75,2742.56 -500.22,2822.09 U22.18@-500.22,2874.45 U22.18@-500.22,2911.85 ; CP29.1@-564.94,2958.69 v4(-564.94,2996.04) ; R98.1@-536.42,1149.61 v4(-501.97,1149.61) ; R95.1@-138.8,2976.81 v4(-108.7,2976.81) ; B8.1@95.45,4710 v4(147.64,4710) B10.1@203.74,4710 v4(265.75,4710) B9.1@323.82,4710 ; v4(412.4,4630.91) RN9.1@412.4,4661.42 ; v4(1378.35,1759.45) U25.1@1378.35,1715.55 1378.35,1678.74 1391.73,1665.35 1515.75,1665.35 1523.03,1672.64 U27.1@1523.03,1715.55 v4(1523.03,1771.26) ; v4(1486.22,3806.1) R90.1@1486.22,3840.76 ; v4(1486.42,2743.9) U13.6@1555.12,2743.9 ; U12.1@1548.23,3512.6 1548.23,3571.85 1572.83,3596.46 v4(1619.09,3596.46) ; U13.1@1562.01,2997.05 v4@1594.49,3029.53 ; CP28.1@1580.46,4304.35 1580.46,4281.74 1711,4151.2 1711,4043.15 C83.1@1667.08,3999.23 ; 1583,3018.03 cw(c1594.49,3006.54) v4@1594.49,3022.8 ; CP28.1@1585.42,4329.51 v4(1630.69,4329.51) ; CP28.1@1589.57,4280.51 1593.29,4276.79 v4(1630.69,4276.79) ; CP28.1@1591.32,4304.35 v4(1630.69,4304.35) ; v4(1594.49,3024.61) v4@1594.49,3029.53 ; 1594.49,3075.79 v4@1594.49,3029.53 ; R89.1@1604.82,3834.67 ccw(c1643.73,3834.67) v4@1616.22,3807.16 ; R89.1@1604.82,3840.76 1604.82,3816 v4(1614.94,3805.88)
  Top Layer w25: CP30.1@-572.83,717.52 v4(-535.43,717.52) ; CP30.1@-570.87,673.23 -563.98,666.34 v4(-535.43,666.34) ; CP30.1@-568.9,683.07 CP30.1@-578.74,692.91 ; v4(-535.43,692.91) CP30.1@-578.74,692.91 ; RF1.1@-450.79,449.8 -374.02,526.57 U24.1@-374.02,678.15 ; U24.1@-377.95,675.2 -488.19,785.43 C88.1@-594.49,785.43 -594.49,708.66 CP30.1@-578.74,692.91 ; v4(150.56,2949.25) Q1.3@186.98,2949.25 ; v4@186.5,2994.03 cw(c206.71,2973.82) 206.71,3002.4 ; v4(222.42,2949.25) Q1.3@186.98,2949.25 ; RN1.2@300.17,3002.4 195.84,3002.4 v4(186.98,2993.54) Q1.3@186.98,2949.25
  other v4: 682.09,4547.24